# Allegro board 038RT-9068CJK8E-A100_0921.brd (continued)
## Routing (per net, layer and track width the routed paths; a pad name or vN(x,y) marks a point on that pad's centre or on a via; arc(x,y) is an arc through that point) (continued)
VDD5_ATX:
  vias: v2(29.29,442.09) v2(29.29,439.55) v2(29.29,437.01) v2(31.83,442.09) v2(31.83,439.55) v2(31.83,437.01) v2(34.37,442.09) v2(34.37,439.55) v2(34.37,437.01) v2(36.91,442.09) v2(36.91,439.55) v2(36.91,437.01) v2(39.45,442.09) v2(39.45,439.55) v2(39.45,437.01)
VDD18_ATX:
  vias: v2(23.03,362.01) v2(23.03,126.68) v2(24.3,362.01) v2(24.3,126.68) v2(25.89,68.9) v2(25.89,67.63) v2(31.61,139.7) v2(31.61,138.43) v2(51.93,396.62) v2(53.2,396.62) v2(54.47,396.62) v2(654.54,140.33) v2(655.81,140.33) v2(661.34,19.37) v2(661.34,18.1) v2(666.29,318.71) v2(666.29,83.38) v2(667.56,318.71) v2(667.56,83.38)
VDD33_ATX: length 302.4
  TOP w0.508: v2(437.08,21.09) 437.08,21.09 UNK1SPIH21.8 ; UNK1SPIH11.8 375.07,21.09 v2(375.07,21.09) ; UNK3SPIH21.8 429.67,455.08 v2(429.66,455.08) ; SPIH21.8 254.63,21.09 v2(254.63,21.09) ; v2(192.63,21.09) 192.62,21.09 SPIH11.8 ; v2(251.88,455.08) 251.88,455.08 UNK2SPIH21.8 ; v2(491.67,455.08) 491.68,455.08 UNK3SPIH11.8 ; v2(313.89,455.08) 313.89,455.08 UNK2SPIH11.8
  BOTTOM w0.115: v1(322.96,208.05) MUX5.16 ; v1(322.96,196.62) MUX2.16 ; v1(322.96,230.91) MUX16.16 ; v1(334.71,219.48) MUX14.16 ; v1(323.28,265.2) MUX11.16 ; v1(334.71,265.2) MUX12.16 ; v1(334.71,196.62) MUX9.16 ; v1(334.71,208.05) MUX6.16 ; v1(334.71,242.34) MUX7.16 ; v1(323.28,253.77) MUX8.16 ; v1(323.33,276.63) MUX3.16 ; v1(334.71,276.63) MUX1.16 ; v1(322.96,219.48) MUX15.16 ; v1(334.71,253.77) MUX10.16 ; v1(334.71,230.91) MUX13.16 ; v1(323.28,242.34) MUX4.16
  BOTTOM w0.305: v1(664.7,275.33) 664.7,275.81 664.39,276.13 UNK3K145.13 ; UNK2K184.40 136.77,286.36 v1(136.38,286.75) ; K145.40 v1(29.32,223.87) ; UNK1K184.5 v1(550.4,189.66) ; UNK2K145.20 v1(29.32,286.78) ; v1(554.21,245.69) 553.83,246.08 UNK3K184.40 ; v1(228.1,182.08) 228.1,182.36 228.8,183.06 K214.20 ; UNK2K184.30 v1(133.84,280.78) ; v1(554.53,274.56) 554.53,274.28 553.83,273.58 UNK3K217.20 ; UNK3K213.40 445.71,247.53 v1(446.1,247.15) ; UNK2K213.20 251.02,243.06 250.32,242.36 v1(250.32,242.08) ; UNK1K214.5 v1(464.5,191.12) ; K184.20 136.77,215.02 136.07,214.32 v1(136.07,214.03) ; v1(554.53,198.41) 554.53,198.12 553.83,197.42 UNK1K184.20 ; v1(442.29,195.62) 442.29,195.56 442.73,195.12 UNK1K213.13 ; UNK2K214.20 228.8,243.06 228.1,242.36 v1(228.1,242.08) ; UNK1K144.20 v1(647.17,227.09) ; K217.30 v1(133.84,204.62) ; UNK2K213.13 254,246.82 254.44,246.38 v1(254.44,246.32) ; UNK1K213.40 445.71,187.53 v1(446.1,187.15) ; UNK2K214.9 v1(232.23,248.82) ; v1(554.53,214.56) 554.53,214.28 553.83,213.58 UNK1K217.20 ; UNK1K184.40 553.83,186.08 v1(554.21,185.69) ; UNK3K217.5 v1(550.4,265.82) ; UNK1K144.5 v1(643.85,218.98) ; v1(250.32,182.08) 250.32,182.36 251.02,183.06 K213.20 ; UNK3K214.40 467.93,247.53 v1(468.31,247.15) ; UNK3K184.13 550.84,253.66 550.4,254.1 v1(550.4,254.16) ; UNK2K213.5 v1(254.44,250.82) ; UNK1K214.20 467.93,198.88 468.63,199.58 v1(468.63,199.86) ; K145.30 31.96,229.87 v1(32.13,229.7) ; UNK3K144.20 v1(647.17,277.89) ; UNK3K213.13 442.73,255.12 442.29,255.56 v1(442.29,255.62) ; K213.40 251.02,194.41 v1(250.63,194.79) ; UNK2K145.5 26.17,278.67 v1(26,278.84) ; UNK2K144.30 v1(40.6,287.02) ; UNK1K213.30 v1(448.64,193.12) ; K184.13 139.75,218.78 140.19,218.34 v1(140.19,218.28) ; K184.9 v1(140.19,220.78) ; K214.30 v1(225.88,188.82) ; K145.20 v1(29.32,235.98) ; UNK3K145.30 658.63,278.13 v1(658.46,278.3) ; v1(464.5,195.62) 464.5,195.56 464.94,195.12 UNK1K214.13 ; UNK1K184.30 v1(556.75,191.66) ; K144.30 v1(40.6,236.22) ; UNK2K145.40 v1(29.32,274.67) ; UNK3K213.5 v1(442.29,251.12) ; UNK1K144.13 v1(643.85,222.98) ; UNK1K144.30 v1(650,220.98) ; UNK2K184.13 139.75,278.78 140.19,278.34 v1(140.19,278.28) ; UNK1K214.30 v1(470.85,193.12) ; K184.40 136.77,226.36 v1(136.38,226.75) ; UNK2K217.40 v1(136.77,270.59) ; UNK3K144.5 v1(643.85,269.78) ; v1(228.42,254.79) 228.8,254.41 UNK2K214.40 ; v1(136.07,274.03) 136.07,274.32 136.77,275.02 UNK2K184.20 ; v1(232.23,246.32) 232.23,246.38 231.79,246.82 UNK2K214.13 ; UNK1K217.30 v1(556.75,207.82) ; UNK1K217.40 v1(553.83,201.85) ; UNK2K217.13 139.75,262.62 140.19,262.19 v1(140.19,262.12) ; UNK2K217.9 v1(140.19,264.62) ; K214.5 v1(232.23,190.82) ; K213.30 v1(248.09,188.82) ; UNK3K184.5 v1(550.4,249.66) ; v1(665.59,227.96) 665.16,227.96 664.53,227.33 UNK1K145.9 ; UNK3K184.20 553.83,257.42 554.53,258.12 v1(554.53,258.41) ; UNK1K184.13 550.84,193.66 550.4,194.1 v1(550.4,194.16) ; UNK2K184.9 v1(140.19,280.78) ; UNK3K184.30 v1(556.75,251.66) ; UNK3K144.30 v1(650,271.78) ; UNK3K145.9 664.53,278.13 665.16,278.76 v1(665.59,278.76) ; UNK1K144.9 v1(643.85,220.98) ; K145.9 26.07,229.87 25.44,229.24 v1(25,229.24) ; UNK2K145.9 26.07,280.67 25.44,280.04 v1(25,280.04) ; UNK3K214.20 467.93,258.88 468.63,259.58 v1(468.63,259.86) ; K144.5 v1(46.75,238.22) ; K214.40 228.8,194.41 v1(228.42,194.79) ; v1(32.13,280.5) 31.96,280.67 UNK2K145.30 ; v1(550.4,210.32) 550.4,210.25 550.84,209.82 UNK1K217.13 ; UNK3K214.13 464.94,255.12 464.5,255.56 v1(464.5,255.62) ; K213.13 254,186.82 254.44,186.38 v1(254.44,186.32) ; UNK2K214.5 v1(232.23,250.82) ; v1(250.63,254.79) 251.02,254.41 UNK2K213.40 ; UNK1K214.9 v1(464.5,193.12) ; UNK3K217.9 v1(550.4,267.82) ; UNK1K217.5 v1(550.4,205.82) ; UNK2K184.5 v1(140.19,282.78) ; K217.9 v1(140.19,204.62) ; UNK3K214.9 v1(464.5,253.12) ; UNK3K213.20 445.71,258.88 446.41,259.58 v1(446.41,259.86) ; UNK3K144.9 v1(643.85,271.78) ; UNK3K217.40 v1(553.83,261.85) ; UNK3K213.9 v1(442.29,253.12) ; K217.40 v1(136.77,210.59) ; v1(25.89,232.67) 25.89,232.19 26.21,231.87 K145.13 ; v1(664.59,279.96) 664.42,280.13 UNK3K145.5 ; UNK3K184.9 v1(550.4,251.66) ; K217.20 136.77,198.86 136.07,198.16 v1(136.07,197.88) ; K144.9 v1(46.75,236.22) ; K214.13 231.79,186.82 232.23,186.38 v1(232.23,186.32) ; v1(664.59,229.16) 664.42,229.33 UNK1K145.5 ; UNK1K145.30 658.63,227.33 v1(658.46,227.5) ; UNK2K144.20 v1(43.42,280.91) ; UNK3K144.13 v1(643.85,273.78) ; K145.5 26.17,227.87 v1(26,228.04) ; v1(140.19,202.12) 140.19,202.19 139.75,202.62 K217.13 ; K184.5 v1(140.19,222.78) ; UNK3K144.40 v1(647.17,265.78) ; K144.20 v1(43.42,230.11) ; UNK1K213.9 v1(442.29,193.12) ; UNK2K217.30 v1(133.84,264.62) ; K144.13 v1(46.75,234.22) ; UNK2K214.30 v1(225.88,248.82) ; UNK2K145.13 26.21,282.67 25.89,282.99 v1(25.89,283.47) ; UNK3K214.5 v1(464.5,251.12) ; UNK1K214.40 467.93,187.53 v1(468.31,187.15) ; K213.9 v1(254.44,188.82) ; UNK3K217.13 550.84,269.82 550.4,270.25 v1(550.4,270.32) ; UNK3K145.40 v1(661.28,284.15) ; K184.30 v1(133.84,220.78) ; K213.5 v1(254.44,190.82) ; UNK1K213.20 445.71,198.88 446.41,199.58 v1(446.41,199.86) ; UNK2K144.13 v1(46.75,285.02) ; UNK2K213.9 v1(254.44,248.82) ; UNK1K213.5 v1(442.29,191.12) ; UNK2K144.9 v1(46.75,287.02) ; UNK1K144.40 v1(647.17,214.98) ; K217.5 v1(140.19,206.62) ; K214.9 v1(232.23,188.82) ; UNK2K144.40 v1(43.42,293.02) ; UNK2K144.5 v1(46.75,289.02) ; UNK1K145.20 v1(661.28,221.22) ; UNK2K213.30 v1(248.09,248.82) ; v1(136.07,257.88) 136.07,258.16 136.77,258.86 UNK2K217.20 ; UNK1K145.13 664.39,225.33 664.7,225.01 v1(664.7,224.53) ; K144.40 v1(43.42,242.22) ; UNK1K217.9 v1(550.4,207.82) ; UNK2K217.5 v1(140.19,266.62) ; UNK3K213.30 v1(448.64,253.12) ; UNK3K214.30 v1(470.85,253.12) ; UNK1K145.40 v1(661.28,233.33) ; UNK3K217.30 v1(556.75,267.82) ; UNK3K145.20 v1(661.28,272.02) ; UNK1K184.9 v1(550.4,191.66)
  BOTTOM w0.508: UNK1C145.1 661.28,220.9 v1(661.28,221.22) ; UNK3C144.1 647.17,278.21 v1(647.17,277.89) ; v1(29.32,235.98) 29.32,236.3 C145.1 ; v1(29.32,286.78) 29.32,287.1 UNK2C145.1 ; v1(647.17,227.09) 647.17,227.41 UNK1C144.1 ; UNK2C144.1 43.42,280.59 v1(43.42,280.91) ; C144.1 43.42,229.79 v1(43.42,230.11) ; UNK3C145.1 661.28,271.7 v1(661.28,272.02)
  vias: v1(134.27,240.43) v1(134.27,237.14) v1(134.27,234.08) v1(134.27,230.79) v1(148.01,286.06) v1(148.01,282.77) v1(149.51,240.43) v1(149.51,234.08) v1(149.51,230.79) v1(163.25,286.06) v1(183.86,286.11) v1(183.86,282.82) v1(199.1,286.11) v1(199.1,282.82) v1(541.08,241.65) v1(541.08,238.36) v1(541.08,232.01) v1(541.08,207.68) v1(541.08,204.39) v1(541.08,201.33) v1(541.08,198.04) v1(541.08,191.69) v1(541.08,188.63) v1(541.08,185.34) v1(556.32,241.65) v1(556.32,238.36) v1(556.32,235.3) v1(556.32,232.01) v2(38.39,458.43) v2(38.39,455.89) v2(39.18,461.25) v2(40.33,461.25) v2(40.93,458.43) v2(40.93,455.89) v2(41.72,461.25) v2(42.87,461.25) v2(43.47,458.43) v2(43.47,455.89) v2(44.26,461.25) v2(45.41,461.25) v2(46.01,458.43) v2(46.01,455.89) v2(46.8,461.27) v2(47.95,461.27) v2(48.55,458.43) v2(48.55,455.89) v2(49.28,461.97) v2(55.51,404.14) v2(55.51,402.87) v2(124.67,32.99) v2(124.67,30.76) v2(124.67,29.49) v2(124.67,28.22) v2(126.21,29.49) v2(126.21,28.22) v2(127.97,29.49) v2(127.97,28.22) v2(129.74,29.49) v2(129.74,28.22) v2(131.78,36.45) v2(131.78,35.08) v2(133.54,36.45) v2(133.54,35.08) v2(135.3,36.45) v2(135.3,35.08) v2(138.81,453.44) v2(138.81,452.07) v2(140.57,453.44) v2(140.57,452.07) v2(142.34,453.44) v2(142.34,452.07) v2(144.38,460.3) v2(144.38,459.03) v2(146.14,460.3) v2(146.14,459.03) v2(147.9,460.3) v2(147.9,459.03) v2(149.44,460.3) v2(149.44,459.03) v2(149.44,457.76) v2(149.44,455.54) v2(191.36,47.76) v2(191.36,20.09) v2(253.15,456.08) v2(253.15,428.41) v2(253.36,47.76) v2(253.36,20.09) v2(315.16,456.08) v2(315.16,428.41) v2(373.8,47.76) v2(373.8,20.09) v2(430.93,456.08) v2(430.93,428.41) v2(435.81,47.76) v2(435.81,20.09) v2(492.94,456.08) v2(492.94,428.41) v2(555.02,450.42) v2(555.02,449.05) v2(556.79,450.42) v2(556.79,449.05) v2(558.55,450.42) v2(558.55,449.05) v2(560.59,457.28) v2(560.59,456.01) v2(562.35,457.28) v2(562.35,456.01) v2(564.11,457.28) v2(564.11,456.01) v2(565.65,457.28) v2(565.65,456.01) v2(565.65,454.74) v2(565.65,452.51) v2(582.11,38.55) v2(582.11,36.33) v2(582.11,35.06) v2(582.11,33.79) v2(589.21,42.02) v2(589.21,40.64) v2(590.97,42.02) v2(590.97,40.64) v2(592.73,42.02) v2(592.73,40.64)
CTO_DGS00: length 1.3
  TOP w0.203: SLOT17.A23 329.57,137.41 329.36,137.61 CTO_DGS00.1
CTO_DGS01: length 1.3
  TOP w0.203: CTO_DGS01.1 329.36,131.61 329.57,131.41 SLOT17.A20
CTO_DGS02: length 1.3
  TOP w0.203: SLOT17.A17 329.57,125.41 329.36,125.61 CTO_DGS02.1
CTO_DGS03: length 1.3
  TOP w0.203: CTO_DGS03.1 329.36,119.61 329.57,119.41 SLOT17.A14
CTO_DGS04: length 1.3
  TOP w0.203: CTO_DGS04.1 329.36,113.61 329.57,113.41 SLOT17.A11
CTO_DGS05: length 1.3
  TOP w0.203: SLOT17.A8 329.57,107.41 329.36,107.61 CTO_DGS05.1
CTO_DGS06: length 1.3
  TOP w0.203: CTO_DGS06.1 329.36,101.61 329.57,101.41 SLOT17.A5
CTO_DGS07: length 1.3
  TOP w0.203: SLOT17.A2 329.57,95.41 329.36,95.61 CTO_DGS07.1
CTO_DGS08: length 1.3
  TOP w0.203: CTO_DGS08.1 370,137.61 370.21,137.41 SLOT19.A23
CTO_DGS09: length 1.3
  TOP w0.254: CTO_DGS09.1 369.97,131.61 370.21,131.37 SLOT19.A20
CTO_DGS10: length 1.3
  TOP w0.203: CTO_DGS10.1 370,125.61 370.21,125.41 SLOT19.A17
CTO_DGS11: length 1.3
  TOP w0.203: SLOT19.A14 370.21,119.41 370,119.61 CTO_DGS11.1
CTO_DGS12: length 1.3
  TOP w0.203: CTO_DGS12.1 370,113.61 370.21,113.41 SLOT19.A11
CTO_DGS13: length 1.3
  TOP w0.203: SLOT19.A8 370.21,107.41 370,107.61 CTO_DGS13.1
CTO_DGS14: length 1.3
  TOP w0.203: CTO_DGS14.1 370,101.61 370.21,101.41 SLOT19.A5
CTO_DGS15: length 1.3
  TOP w0.203: SLOT19.A2 370.21,95.41 370,95.61 CTO_DGS15.1
CTO_DGS16: length 1.3
  TOP w0.203: CTO_DGS16.1 309.04,137.61 309.25,137.41 SLOT16.A23
CTO_DGS17: length 1.3
  TOP w0.203: SLOT16.A20 309.25,131.41 309.04,131.61 CTO_DGS17.1
CTO_DGS18: length 1.3
  TOP w0.203: CTO_DGS18.1 309.04,125.61 309.25,125.41 SLOT16.A17
CTO_DGS19: length 1.3
  TOP w0.203: SLOT16.A14 309.25,119.41 309.04,119.61 CTO_DGS19.1
CTO_DGS20: length 1.3
  TOP w0.203: SLOT16.A11 309.25,113.41 309.04,113.61 CTO_DGS20.1
CTO_DGS21: length 1.3
  TOP w0.203: SLOT16.A8 309.25,107.41 309.04,107.61 CTO_DGS21.1
CTO_DGS22: length 1.3
  TOP w0.203: SLOT16.A5 309.25,101.41 309.04,101.61 CTO_DGS22.1
CTO_DGS23: length 1.3
  TOP w0.203: SLOT16.A2 309.25,95.41 309.04,95.61 CTO_DGS23.1
CTO_DGS24: length 1.3
  TOP w0.203: SLOT20.A23 390.53,137.41 390.32,137.61 CTO_DGS24.1
CTO_DGS25: length 1.3
  TOP w0.203: CTO_DGS25.1 390.32,131.61 390.53,131.41 SLOT20.A20
CTO_DGS26: length 1.3
  TOP w0.203: SLOT20.A17 390.53,125.41 390.32,125.61 CTO_DGS26.1
CTO_DGS27: length 1.3
  TOP w0.203: CTO_DGS27.1 390.32,119.61 390.53,119.41 SLOT20.A14
CTO_DGS28: length 1.3
  TOP w0.203: SLOT20.A11 390.53,113.41 390.32,113.61 CTO_DGS28.1
CTO_DGS29: length 1.3
  TOP w0.203: SLOT20.A8 390.53,107.41 390.32,107.61 CTO_DGS29.1
CTO_DGS30: length 1.3
  TOP w0.203: CTO_DGS30.1 390.32,101.61 390.53,101.41 SLOT20.A5
CTO_DGS31: length 1.3
  TOP w0.203: CTO_DGS31.1 390.32,95.61 390.53,95.41 SLOT20.A2
CUB_DGS: length 2.7
  TOP w0.203: SLOT18.A18 351.03,126.61 351.39,126.25 DGS40.1
IDCE: length 290.5
  L07_SIGNAL w0.105: SLOT18.A7 350.09,104.61 351.05,103.65 351.05,92.44 360.45,83.05 540.5,83.05 571.6,51.95 586.55,51.95 597.15,41.35 600.69,41.35 602.88,43.54 602.88,45.6 v2(604.1,46.82)
IDDI: length 284
  L07_SIGNAL w0.105: SLOT18.B7 348.76,105.48 350.66,105.48 351.81,104.34 351.81,92.98 360.8,83.99 540.7,83.99 571.99,52.71 587.14,52.71 597.22,42.63 v2(598.87,42.63)
IDDO: length 297.2
  L07_SIGNAL w0.105: SLOT18.C7 346.83,105.55 346.83,107.24 347.27,107.68 351.14,107.68 353.36,105.46 353.36,93.62 361.44,85.54 541.35,85.54 572.63,54.26 589.09,54.26 593.39,49.95 604.37,49.95 605.4,48.93 605.4,46.66 v2(604.1,45.36)
IDSK: length 281.7
  L07_SIGNAL w0.105: v2(598.87,44.09) 597.29,44.09 587.85,53.52 572.33,53.52 541.04,84.81 361.13,84.81 352.62,93.32 352.62,105.04 351.05,106.61 SLOT18.A8
LB_GND: length 13.8
  TOP w0.203: DGS40.2 351.39,118.12 SLOT18.A13
  TOP w0.508: RBB8.2 344.9,121.6 SLOT18.C15
  vias: v2(337.04,47.41) v2(337.64,57.81) v2(337.64,53.24) v2(338,39.37) v2(338,37.21) v2(338,30.07) v2(338,27.91) v2(338.49,18.61) v2(338.49,16.45) v2(338.47,13.99) v2(338.81,35.23) v2(338.81,33.96) v2(338.81,32.69) v2(338.81,25.93) v2(338.81,24.66) v2(338.81,23.39) v2(338.95,44.45) v2(338.95,43.18) v2(338.95,41.91) v2(339.27,46.35) v2(340.81,57.81) v2(340.81,53.24) v2(346.51,18.6) v2(346.51,16.44) v2(346.49,13.99) v2(371.72,14.21) v2(371.74,9.63) v2(374.26,14.21) v2(374.28,9.63) v2(376.8,14.21) v2(376.82,9.63) v2(379.34,14.21) v2(379.36,9.63) v2(381.88,14.21) v2(381.9,9.63) v2(384.42,14.21) v2(384.44,9.63) v2(598.33,24.88) v2(598.33,24.12) v2(598.33,23.36) v2(604.1,42.63) v2(618.9,23.23) v2(620.17,23.23) v2(621.44,23.23) v2(623.69,23.22) v2(626.49,23.22) v2(629.28,23.22) v2(632.07,23.22) v2(634.87,23.22) v2(637.66,23.22) v2(639.96,23.22) v2(642.75,23.22) v2(646.38,23.22)
MGND: length 105.7
  TOP w0.508: S2_MGND3.1 299.91,239.09 v1(302.75,241.93) ; S3_MGND3.1 419.91,239.09 v1(422.75,241.93) ; S2_MGND2.1 270.68,238.56 v1(267.31,241.93) ; S3_MGND2.1 390.68,238.56 v1(387.31,241.93) ; v1(422.75,181.93) 419.91,179.09 S1_MGND3.1 ; S0_MGND2.1 270.68,178.56 v1(267.31,181.93) ; v1(387.31,181.93) 390.68,178.56 S1_MGND2.1 ; S0_MGND3.1 299.91,179.09 v1(302.75,181.93)
  TOP w0.762: UNK1BDG17.2 566.13,175.24 565.01,176.37 v2(565.01,177.18)
  L15_SIGNAL w0.102: v1(281.3,266.22) 280.9,266.62 277.73,266.62 ; 397.73,266.62 400.9,266.62 v1(401.3,266.22) ; v1(281.3,206.22) 280.9,206.62 277.73,206.62 ; v1(401.3,206.22) 400.9,206.62 397.73,206.62
  L15_SIGNAL w0.203: v2(268.97,209.62) 271.61,206.98 277.37,206.98 277.73,206.62 ; 397.73,266.62 397.37,266.98 391.61,266.98 v2(388.97,269.62) ; v2(268.97,269.62) 271.61,266.98 277.37,266.98 277.73,266.62 ; v2(388.97,209.62) 391.61,206.98 397.37,206.98 397.73,206.62
  BOTTOM w0.203: UNK1STG5.1 v2(388.97,209.62) ; UNK3STG5.1 v2(388.97,269.62) ; UNK2STG5.1 v2(268.97,269.62) ; STG5.1 v2(268.97,209.62)
  vias: v1(87.67,252.03) v1(87.67,251.39) v1(87.67,192.03) v1(87.67,191.39) v1(92.6,262.22) v1(92.6,202.22) v1(93.23,253.26) v1(93.23,252.62) v1(93.23,193.26) v1(93.23,192.62) v1(93.28,255.01) v1(93.28,254.38) v1(93.28,195.01) v1(93.28,194.38) v1(138.44,289.89) v1(232.19,279.39) v1(232.19,278.12) v1(232.19,219.39) v1(232.19,218.12) v1(233.46,279.39) v1(233.46,278.12) v1(233.46,219.39) v1(233.46,218.12) v1(234.73,279.39) v1(234.73,278.12) v1(234.73,219.39) v1(234.73,218.12) v1(236,279.39) v1(236,278.12) v1(236,219.39) v1(236,218.12) v1(241.79,285.29) v1(241.79,284.66) v1(241.79,284.02) v1(241.79,283.39) v1(241.79,282.75) v1(241.79,282.12) v1(241.79,225.29) v1(241.79,224.66) v1(241.79,224.02) v1(241.79,223.39) v1(241.79,222.75) v1(241.79,222.12) v1(267.31,242.56) v1(267.31,182.56) v1(270.92,270.44) v1(270.92,269.81) v1(270.92,210.44) v1(270.92,209.81) v1(271.55,270.44) v1(271.55,269.81) v1(271.55,210.44) v1(271.55,209.81) v1(272.21,265.59) v1(272.21,205.59) v1(272.84,265.59) v1(272.84,205.59) v1(273.96,265.66) v1(273.96,205.66) v1(274.6,265.66) v1(274.6,205.66) v1(302.75,242.56) v1(302.75,182.56) v1(310.19,282.44) v1(310.19,281.17) v1(310.19,222.44) v1(310.19,221.17) v1(352.19,279.39) v1(352.19,278.12) v1(352.19,219.39) v1(352.19,218.12) v1(353.46,279.39) v1(353.46,278.12) v1(353.46,219.39) v1(353.46,218.12) v1(354.73,279.39) v1(354.73,278.12) v1(354.73,219.39) v1(354.73,218.12) v1(356,279.39) v1(356,278.12) v1(356,219.39) v1(356,218.12) v1(361.79,285.29) v1(361.79,284.66) v1(361.79,284.02) v1(361.79,283.39) v1(361.79,282.75) v1(361.79,282.12) v1(361.79,225.29) v1(361.79,224.66) v1(361.79,224.02) v1(361.79,223.39) v1(361.79,222.75) v1(361.79,222.12) v1(387.31,242.56) v1(387.31,182.56) v1(390.92,270.44) v1(390.92,269.81) v1(390.92,210.44) v1(390.92,209.81) v1(391.55,270.44) v1(391.55,269.81) v1(391.55,210.44) v1(391.55,209.81) v1(392.21,265.59) v1(392.21,205.59) v1(392.84,265.59) v1(392.84,205.59) v1(393.96,265.66) v1(393.96,205.66) v1(394.6,265.66) v1(394.6,205.66) v1(422.75,242.56) v1(422.75,182.56) v1(430.19,282.44) v1(430.19,281.17) v1(430.19,222.44) v1(430.19,221.17) v1(597.31,278.06) v1(597.31,277.43) v1(597.31,218.06) v1(597.31,217.43) v1(597.36,279.82) v1(597.36,279.18) v1(597.36,219.82) v1(597.36,219.18) v1(598,270.22) v1(598,210.22) v1(602.92,281.05) v1(602.92,280.41) v1(602.92,221.05) v1(602.92,220.41) v2(73.8,294.45) v2(74.15,239.45) v2(74.15,236.28) v2(74.15,179.45) v2(116.9,246.26) v2(116.9,186.26) v2(125.59,235.26) v2(565.01,237.18) v2(573.69,286.18) v2(573.69,226.18) v2(616.44,292.99) v2(616.44,236.16) v2(616.44,232.99) v2(616.44,176.16)
P3_3V:
  vias: v2(35.28,463.11)
PCIE_GND: length 94.2
  TOP w0.3: v2(288.91,428.55) 288.91,430.2 288.66,430.45 UNK2HOST1.66 ; v2(400.05,47.62) 400.05,45.97 400.3,45.72 UNK1HOST1.66 ; HOST2.66 279.86,45.72 279.61,45.97 v2(279.61,47.62) ; UNK2HOST2.66 226.65,430.45 226.9,430.2 v2(226.9,428.55) ; 217.6,45.97 217.86,45.72 HOST1.66 ; v2(466.69,428.55) 466.69,430.2 466.44,430.45 UNK3HOST1.66 ; v2(462.06,47.62) 462.06,45.97 462.31,45.72 UNK1HOST2.66 ; v2(404.68,428.55) 404.68,430.2 404.43,430.45 UNK3HOST2.66
  TOP w0.508: SH01_PCIEGND4.1 264.33,178.56 v1(260.97,181.93) ; v1(380.97,241.93) 384.33,238.56 SH31_PCIEGND4.1 ; v1(260.97,241.93) 264.33,238.56 SH21_PCIEGND4.1 ; v1(380.97,181.93) 384.33,178.56 SH11_PCIEGND4.1
  BOTTOM w0.508: v2(463.76,47.62) 463.86,47.53 UNK1CH2602.2 ; v2(466.38,49.71) 466.65,49.43 466.65,48.45 466.29,48.09 UNK1CH2552.2 ; CH2552.2 283.84,48.09 284.2,48.45 284.2,49.43 v2(283.93,49.71) ; UNK2CH2552.2 222.67,428.08 222.31,427.72 222.31,426.74 v2(222.58,426.47) ; CH2602.2 281.41,47.53 v2(281.32,47.62) ; v2(462.38,426.47) 462.1,426.74 462.1,427.72 462.46,428.08 UNK3CH1552.2 ; v2(219.31,47.62) 219.4,47.53 CH1602.2 ; v2(464.99,428.55) 464.9,428.64 UNK3CH1602.2 ; v2(402.98,428.55) 402.89,428.64 UNK3CH2602.2 ; v2(221.92,49.71) 222.19,49.43 222.19,48.45 221.83,48.09 CH1552.2 ; v2(287.21,428.55) 287.11,428.64 UNK2CH1602.2 ; UNK2CH1552.2 284.68,428.08 284.32,427.72 284.32,426.74 v2(284.59,426.47) ; UNK1CH1552.2 404.28,48.09 404.64,48.45 404.64,49.43 v2(404.37,49.71) ; v2(225.2,428.55) 225.1,428.64 UNK2CH2602.2 ; v2(400.37,426.47) 400.09,426.74 400.09,427.72 400.45,428.08 UNK3CH2552.2 ; UNK1CH1602.2 401.85,47.53 v2(401.75,47.62)
  BOTTOM w1.016: v2(286.62,53.34) 286.21,52.93 CH2551.2 ; CH221.2 285.92,56.43 v2(286.01,56.53) ; v2(282.51,419.64) 282.6,419.74 UNK2CH121.2 ; v2(407.06,53.34) 406.65,52.93 UNK1CH1551.2 ; v2(398.28,419.64) 398.38,419.74 UNK3CH221.2 ; v2(406.45,56.53) 406.36,56.43 UNK1CH121.2 ; UNK2CH2551.2 220.3,423.24 v2(219.9,422.83) ; UNK1CH2551.2 468.66,52.93 v2(469.06,53.34) ; UNK3CH121.2 460.39,419.74 v2(460.29,419.64) ; v2(220.5,419.64) 220.59,419.74 UNK2CH221.2 ; v2(459.69,422.83) 460.1,423.24 UNK3CH1551.2 ; UNK1CH221.2 468.37,56.43 v2(468.46,56.53) ; v2(224.61,53.34) 224.2,52.93 CH1551.2 ; v2(224.01,56.53) 223.91,56.43 CH121.2 ; UNK3CH2551.2 398.09,423.24 v2(397.68,422.83) ; v2(281.9,422.83) 282.31,423.24 UNK2CH1551.2
  vias: v1(214.47,270.11) v1(214.47,268.84) v1(214.47,267.32) v1(214.47,266.05) v1(216.39,194.72) v1(216.39,193.45) v1(216.39,191.92) v1(216.39,190.65) v1(221.43,254.82) v1(221.43,252.82) v1(221.43,194.82) v1(221.43,192.82) v1(224.99,256.82) v1(224.99,254.82) v1(224.99,196.82) v1(224.99,194.82) v1(242.63,256.82) v1(242.63,254.82) v1(242.65,248.82) v1(242.65,246.82) v1(245.42,254.82) v1(245.42,252.82) v1(245.42,246.82) v1(245.42,244.82) v1(251.08,257.19) v1(251.08,255.92) v1(251.08,197.19) v1(251.08,195.92) v1(260.97,242.56) v1(260.97,182.56) v1(380.97,242.56) v1(380.97,182.56) v1(445.65,246.02) v1(445.65,244.75) v1(445.65,186.02) v1(445.65,184.75) v1(451.31,257.12) v1(451.31,255.12) v1(451.31,249.12) v1(451.31,247.12) v1(451.31,197.12) v1(451.31,195.12) v1(451.31,189.12) v1(451.31,187.12) v1(454.08,255.12) v1(454.08,253.12) v1(454.1,247.12) v1(454.1,245.12) v1(454.08,195.12) v1(454.08,193.12) v1(454.1,187.12) v1(454.1,185.12) v1(469.71,277.47) v1(469.71,276.2) v1(469.71,274.68) v1(469.71,273.41) v1(469.71,217.47) v1(469.71,216.2) v1(469.71,214.68) v1(469.71,213.41) v1(471.74,247.12) v1(471.74,245.12) v1(471.74,187.12) v1(471.74,185.12) v1(474.79,249.12) v1(474.79,247.12) v1(474.79,189.12) v1(474.79,187.12) v2(200.69,423.04) v2(200.69,419.76) v2(214.22,57.78) v2(214.22,55.25) v2(214.22,53.34) v2(215.88,45.34) v2(215.88,44.2) v2(217.6,47.62) v2(218.66,57.78) v2(218.66,55.25) v2(218.66,54.48) v2(218.66,53.34) v2(219.82,49.71) v2(224.68,426.47) v2(225.84,422.83) v2(225.84,421.69) v2(225.84,420.93) v2(225.84,418.39) v2(228.62,431.98) v2(228.62,430.83) v2(230.29,422.83) v2(230.29,420.93) v2(230.29,418.39) v2(234.73,418.39) v2(237.17,177.37) v2(237.17,171.02) v2(237.17,164.67) v2(237.17,158.32) v2(237.17,151.97) v2(237.17,145.62) v2(237.17,139.27) v2(237.17,132.92) v2(237.17,126.57) v2(237.17,120.22) v2(237.17,113.87) v2(237.17,107.52) v2(237.17,101.17) v2(237.17,94.82) v2(237.17,88.47) v2(239.12,391.55) v2(239.12,385.2) v2(239.12,378.85) v2(239.12,372.5) v2(239.12,366.15) v2(239.12,359.8) v2(239.12,353.45) v2(239.12,347.1) v2(239.12,340.75) v2(239.12,334.4) v2(239.12,328.05) v2(239.12,321.7) v2(239.07,177.37) v2(239.07,171.02) v2(239.07,164.67) v2(239.07,158.32) v2(239.07,151.97) v2(239.07,145.62) v2(239.07,139.27) v2(239.07,132.92) v2(239.07,126.57) v2(239.07,120.22) v2(239.07,113.87) v2(239.07,107.52) v2(239.07,101.17) v2(239.07,94.82) v2(239.07,88.47) v2(239.07,82.12) v2(241.03,391.55) v2(241.03,385.2) v2(241.03,378.85) v2(241.03,372.5) v2(241.03,366.15) v2(241.03,359.8) v2(241.03,353.45) v2(241.03,347.1) v2(241.03,340.75) v2(241.03,334.4) v2(241.03,328.05) v2(241.03,321.7) v2(240.98,177.37) v2(240.98,171.02) v2(240.98,164.67) v2(240.98,158.32) v2(240.98,151.97) v2(240.98,145.62) v2(240.98,139.27) v2(240.98,132.92) v2(240.98,126.57) v2(240.98,120.22) v2(240.98,113.87) v2(240.98,107.52) v2(240.98,101.17) v2(240.98,94.82) v2(240.98,88.47) v2(240.98,82.12) v2(242.93,391.55) v2(242.93,385.2) v2(242.93,378.85) v2(242.93,372.5) v2(242.93,366.15) v2(242.93,359.8) v2(242.93,353.45) v2(242.93,347.1) v2(242.93,340.75) v2(242.93,334.4) v2(242.93,328.05) v2(242.93,321.7) v2(243.85,56.41) v2(243.85,53.14) v2(262.66,423.04) v2(262.66,419.76) v2(263.43,158.32) v2(263.43,151.97) v2(263.43,145.62) v2(263.43,139.27) v2(263.43,132.92) v2(263.43,126.57) v2(263.43,120.22) v2(263.43,113.87) v2(263.43,107.52) v2(263.43,101.17) v2(263.43,94.82) v2(263.43,88.47) v2(263.43,82.12) v2(263.43,75.77) v2(264.14,391.55) v2(264.14,385.2) v2(264.14,378.85) v2(264.14,372.5) v2(264.14,366.15) v2(264.14,359.8) v2(264.14,353.45) v2(264.14,347.1) v2(264.14,340.75) v2(264.14,334.4) v2(264.14,328.05) v2(265.34,158.32) v2(265.34,151.97) v2(265.34,145.62) v2(265.34,139.27) v2(265.34,132.92) v2(265.34,126.57) v2(265.34,120.22) v2(265.34,113.87) v2(265.34,107.52) v2(265.34,101.17) v2(265.34,94.82) v2(265.34,88.47) v2(265.34,82.12) v2(265.34,75.77) v2(266.05,391.55) v2(266.05,385.2) v2(266.05,378.85) v2(266.05,372.5) v2(266.05,366.15) v2(266.05,359.8) v2(266.05,353.45) v2(266.05,347.1) v2(266.05,340.75) v2(266.05,334.4) v2(266.05,328.05) v2(267.24,158.32) v2(267.24,151.97) v2(267.24,145.62) v2(267.24,139.27) v2(267.24,132.92) v2(267.24,126.57) v2(267.24,120.22) v2(267.24,113.87) v2(267.24,107.52) v2(267.24,101.17) v2(267.24,94.82) v2(267.24,88.47) v2(267.24,82.12) v2(267.24,75.77) v2(267.95,391.55) v2(267.95,385.2) v2(267.95,378.85) v2(267.95,372.5) v2(267.95,366.15) v2(267.95,359.8) v2(267.95,353.45) v2(267.95,347.1) v2(267.95,340.75) v2(267.95,334.4) v2(267.95,328.05) v2(271.78,57.78) v2(276.22,57.78) v2(276.22,55.25) v2(276.22,53.37) v2(277.89,45.34) v2(277.89,44.2) v2(280.67,57.78) v2(280.67,55.25) v2(280.67,54.48) v2(280.67,53.34) v2(281.83,49.71) v2(286.69,426.47) v2(287.85,422.83) v2(287.85,421.69) v2(287.85,420.93) v2(287.85,418.39) v2(290.63,431.98) v2(290.63,430.83) v2(292.3,422.83) v2(292.3,420.93) v2(292.3,418.39) v2(296.74,418.39) v2(305.83,56.41) v2(305.83,53.14) v2(378.47,423.04) v2(378.47,419.76) v2(396.66,57.78) v2(396.66,55.25) v2(396.66,53.34) v2(398.33,45.34) v2(398.33,44.2) v2(401.11,57.78) v2(401.11,55.25) v2(401.11,54.48) v2(401.11,53.34) v2(402.27,49.71) v2(402.47,426.47) v2(403.63,422.83) v2(403.63,421.69) v2(403.63,420.93) v2(403.63,418.39) v2(406.41,431.98) v2(406.41,430.83) v2(408.07,422.83) v2(408.07,420.93) v2(408.07,418.39) v2(412.52,418.39) v2(426.3,56.41) v2(426.3,53.14) v2(426.61,158.32) v2(426.61,151.97) v2(426.61,145.62) v2(426.61,139.27) v2(426.61,132.92) v2(426.61,126.57) v2(426.61,120.22) v2(426.61,113.87) v2(426.61,107.52) v2(426.61,101.17) v2(426.61,94.82) v2(426.61,88.47) v2(428.51,158.32) v2(428.51,151.97) v2(428.51,145.62) v2(428.51,139.27) v2(428.51,132.92) v2(428.51,126.57) v2(428.51,120.22) v2(428.51,113.87) v2(428.51,107.52) v2(428.51,101.17) v2(428.51,94.82) v2(428.51,88.47) v2(428.56,391.55) v2(428.56,385.2) v2(428.56,378.85) v2(428.56,372.5) v2(428.56,366.15) v2(428.56,359.8) v2(428.56,353.45) v2(428.56,347.1) v2(428.56,340.75) v2(428.56,334.4) v2(428.56,328.05) v2(428.56,321.7) v2(428.56,315.35) v2(430.42,158.32) v2(430.42,151.97) v2(430.42,145.62) v2(430.42,139.27) v2(430.42,132.92) v2(430.42,126.57) v2(430.42,120.22) v2(430.42,113.87) v2(430.42,107.52) v2(430.42,101.17) v2(430.42,94.82) v2(430.42,88.47) v2(430.47,391.55) v2(430.47,385.2) v2(430.47,378.85) v2(430.47,372.5) v2(430.47,366.15) v2(430.47,359.8) v2(430.47,353.45) v2(430.47,347.1) v2(430.47,340.75) v2(430.47,334.4) v2(430.47,328.05) v2(430.47,321.7) v2(430.47,315.35) v2(432.37,391.55) v2(432.37,385.2) v2(432.37,378.85) v2(432.37,372.5) v2(432.37,366.15) v2(432.37,359.8) v2(432.37,353.45) v2(432.37,347.1) v2(432.37,340.75) v2(432.37,334.4) v2(432.37,328.05) v2(432.37,321.7) v2(432.37,315.35) v2(440.45,423.04) v2(440.45,419.76) v2(446.9,287.02) v2(446.9,281.94) v2(446.9,276.86) v2(446.9,271.78) v2(452.87,158.32) v2(452.87,151.97) v2(452.87,145.62) v2(452.87,139.27) v2(452.87,132.92) v2(452.87,126.57) v2(452.87,120.22) v2(452.87,113.87) v2(452.87,107.52) v2(452.87,101.17) v2(452.87,94.82) v2(452.87,88.47) v2(452.87,82.12) v2(454.23,57.78) v2(454.6,391.55) v2(454.6,385.2) v2(454.6,378.85) v2(454.6,372.5) v2(454.6,366.15) v2(454.6,359.8) v2(454.6,353.45) v2(454.6,347.1) v2(454.6,340.75) v2(454.6,334.4) v2(454.6,328.05) v2(454.6,321.7) v2(454.6,315.35) v2(454.78,158.32) v2(454.78,151.97) v2(454.78,145.62) v2(454.78,139.27) v2(454.78,132.92) v2(454.78,126.57) v2(454.78,120.22) v2(454.78,113.87) v2(454.78,107.52) v2(454.78,101.17) v2(454.78,94.82) v2(454.78,88.47) v2(454.78,82.12) v2(456.5,391.55) v2(456.5,385.2) v2(456.5,378.85) v2(456.5,372.5) v2(456.5,366.15) v2(456.5,359.8) v2(456.5,353.45) v2(456.5,347.1) v2(456.5,340.75) v2(456.5,334.4) v2(456.5,328.05) v2(456.5,321.7) v2(456.5,315.35) v2(456.68,158.32) v2(456.68,151.97) v2(456.68,145.62) v2(456.68,139.27) v2(456.68,132.92) v2(456.68,126.57) v2(456.68,120.22) v2(456.68,113.87) v2(456.68,107.52) v2(456.68,101.17) v2(456.68,94.82) v2(456.68,88.47) v2(456.68,82.12) v2(458.41,391.55) v2(458.41,385.2) v2(458.41,378.85) v2(458.41,372.5) v2(458.41,366.15) v2(458.41,359.8) v2(458.41,353.45) v2(458.41,347.1) v2(458.41,340.75) v2(458.41,334.4) v2(458.41,328.05) v2(458.41,321.7) v2(458.41,315.35) v2(458.67,57.78) v2(458.67,55.25) v2(458.67,53.34) v2(460.33,45.34) v2(460.33,44.2) v2(463.12,57.78) v2(463.12,55.25) v2(463.12,54.48) v2(463.12,53.34) v2(464.48,426.47) v2(465.64,422.83) v2(465.64,421.69) v2(465.64,420.93) v2(465.64,418.39) v2(468.42,431.98) v2(468.42,430.83) v2(470.08,422.83) v2(470.08,420.93) v2(470.08,418.39) v2(474.53,418.39) v2(488.27,56.41) v2(488.27,53.14)